# Altium PCB FRONT-UNIT-3.5.PcbDoc (part 2 of 2)
Units mm, origin at the board's own origin, x right, y up, seen from the top; angles counter-clockwise.
Board outline 187 x 77 mm, 2 copper layers (Top Layer, Top, Bottom Layer, Bottom); 110 components, 75 nets, 445 pads, 117 vias.
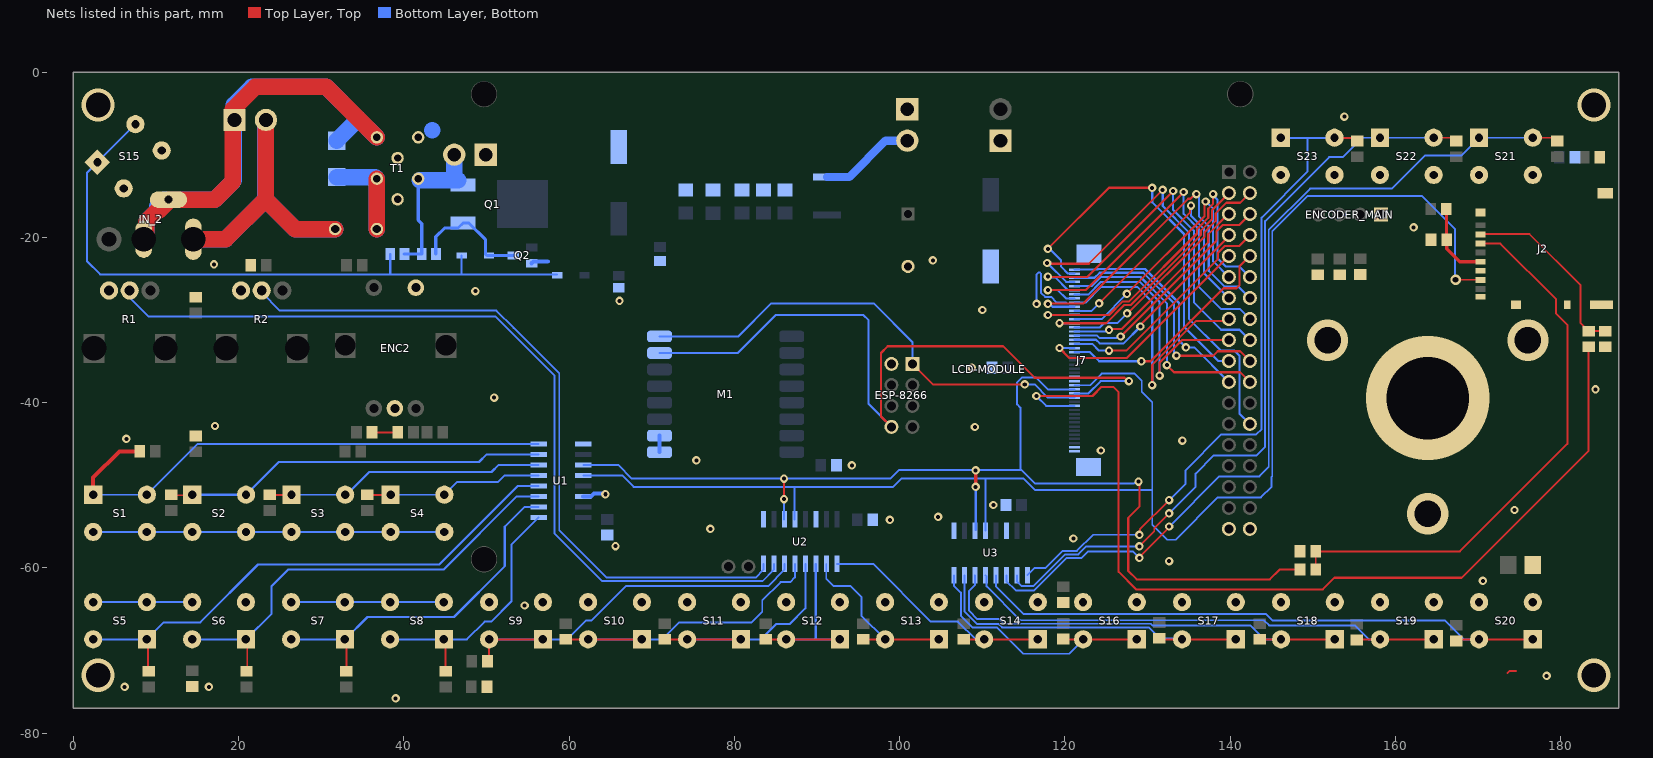
[diagram p2: the nets of this part, all layers, seen from the top]

## Via types
v1: diameter 1.016, hole 0.486, Top Layer, Top to Bottom Layer, Bottom, tented both sides, 102 vias
v2: diameter 3.2, hole 3, Top Layer, Top to Bottom Layer, Bottom, 4 vias
v3: diameter 4, hole 3, Top Layer, Top to Bottom Layer, Bottom, 4 vias
v4: diameter 5, hole 3.2, Top Layer, Top to Bottom Layer, Bottom, 3 vias
v5: diameter 1.27, hole 0.711, Top Layer, Top to Bottom Layer, Bottom, 3 vias
v6: diameter 15, hole 10, Top Layer, Top to Bottom Layer, Bottom, 1 vias

## Nets (pads, with @x,y where several pads share a name; then routed paths per layer and width w, separated by ;. In a path a pad name is that pad's centre, name@x,y a point inside that pad or via, vN(x,y) a via of type N, cw(c..) or ccw(c..) an arc to the next point about the centre after c; other vN are vias at no path point) (continued)
GND: +ACCUM.1 C1.1 C2.1 C3.2 C4.2 C5.2 C6.2 C7.2 C8.2 C9.2 C10.2 C11.1 C12.1 C13.1 C14.1 C15.1 C16.1 C17.1 C18.1 C19.1 C20.1 C21.1 C22.1 C23.1 C24.1 C25.1 C26.1 C1001.2 C1002.2 ENC2.1 ENC2.4 ENCODER_MAIN.1 ESP-8266.1 J2.6 J2.MP1 J2.MP2 J2.MP3 J2.MP4 J2.MP5 J2.MP6 J7.27 J7.28 J7.44 J7.45 J7.46 J7.47 LCD-MODULE.35 LCD-MODULE.36 M1.9 M1.10 MOTHERBOARD.1 Q2.2 R1.3 R2.3 R20.1 R21.1 R22.1 R28.1 RF-UNIT.1 S1.3 S1.4 S2.3 S2.4 S3.3 S3.4 S4.3 S4.4 S5.3 S5.4 S6.3 S6.4 S7.3 S7.4 S8.3 S8.4 S9.3 S9.4 S10.3 S10.4 S11.3 S11.4 S12.3 S12.4 S13.3 S13.4 S14.3 S14.4 S15.3 S15.4 S16.3 S16.4 S17.3 S17.4 S18.3 S18.4 S19.3 S19.4 S20.3 S20.4 S21.3 S21.4 S22.3 S22.4 S23.3 S23.4 T1.LCG1 T1.LCG2 T1.LCG3 U1.9 U1.14 U2.9 U2.14 U3.9 U3.14 | length 93.5
  Top Layer, Top w0.23: 173.567,-72.704 173.767,-72.504 174.567,-72.504
  Top Layer, Top w0.254: C2.1@36.281,-43.618 37.4,-43.618 C1.1@38.681,-43.618
  Bottom Layer, Bottom w0.23: v1@116.677,-27.947 116.569,-27.839 116.569,-24.494 116.784,-24.278 116.975,-24.278 117.11,-24.413 117.11,-26.741 117.592,-27.223 118.319,-27.223 118.954,-27.858 120.077,-27.858 120.178,-27.958
  Bottom Layer, Bottom w0.254: S5.3@2.395,-64.15 S6.3@14.395,-64.15 ; S1.4@2.395,-55.65 S1.3@8.895,-55.65 S4.3@44.895,-55.65 ; S7.3@26.395,-64.15 S8.4@44.895,-64.15
  Bottom Layer, Bottom w0.5: Q2.2@55.456,-23.146 55.683,-22.919 57.404,-22.919 ; U1.14@61.7,-51.349 62.651,-51.349 63,-51 64.294,-51 v1(64.389,-51.095) ; M1.9@70.933,-46 M1.10@70.933,-44
  Bottom Layer, Bottom w2: 43.429,-7.021 43.434,-7.026
  other v1: 39,-75.8 6.2,-74.4 16.4,-74.4 178.3,-73.07 54.61,-64.557 170.565,-61.565 132.6,-59.2 65.6,-57.378 121.019,-56.448 77.089,-55.286 98.8,-54.2 104.648,-53.819 174.4,-53 111.333,-52.4 94.2,-47.6 75.4,-47 124.333,-45.8 134.2,-44.6 6.4,-44.4 109.083,-42.953 17.145,-42.84 50.927,-39.411 184.202,-38.4 108.733,-35.8 110,-28.8 116.569,-28.055 66.086,-27.699 48.641,-26.514 17.018,-23.282 104,-22.8 162.2,-18.8 153.8,-5.4
  other v3: 3,-73 184,-73 3,-4 184,-4
  other v4: 163.9,-53.47 151.776,-32.47 176.024,-32.47
  other v6: 163.9,-39.47
MISO: J2.7 J7.29 U1.12 U2.12 U3.12 | length 191.2
  Top Layer, Top w0.23: v5(167.272,-25.139) 170.253,-25.139 J2.7@170.268,-25.154
  Bottom Layer, Bottom w0.23: U1.12@61.7,-48.809 66.401,-48.809 67.791,-50.2 87.249,-50.2 ; U2.12@87.249,-54.131 87.249,-50.2 ; U3.12@110.365,-55.5 110.4,-55.465 110.4,-49.3 110.3,-49.2 ; J7.29@121.143,-37.9 123.033,-37.9 124.437,-36.495 128.428,-36.495 129.286,-37.353 129.286,-38.706 130.556,-39.976 130.556,-50.57 ; v5(167.272,-25.139) 167.2,-25.067 167.2,-19 163.2,-15 149.375,-15 145.086,-19.289 145.086,-48.914 145,-49 145,-50.2 143.713,-51.487 138.511,-51.487 133.4,-56.598 132.398,-56.598 130.556,-54.756 130.556,-50.57 ; 87.249,-50.2 99.2,-50.2 100.2,-49.2 110.3,-49.2 ; 110.3,-49.2 115,-49.2 116.37,-50.57 130.556,-50.57
MOSI: J7.30 R24.2 U1.11 U2.11 U3.11 | length 132.9
  Top Layer, Top w0.254: v1(86,-51.686) v1(86,-49.2) ; v1(128.9,-49.57) 129,-49.67 129,-52.6 127.652,-53.948 127.652,-60.383 128.669,-61.4 144.8,-61.4 146,-60.2 R24.2@148.45,-60.2
  Top Layer, Top w0.381: v1(109.2,-50.2) v1(109.2,-48.2)
  Bottom Layer, Bottom w0.23: U1.11@61.7,-47.539 65.939,-47.539 67.6,-49.2 v1(86,-49.2) 98.87,-49.2 99.095,-48.975 99.896,-48.174 114.6,-48.174 ; J7.30@121.143,-38.4 117.933,-38.4 116.51,-36.977 114.792,-36.977 114.2,-37.568 114.2,-40.212 114.6,-40.612 114.6,-48.174 ; v1(128.9,-49.57) 128.75,-49.72 128.422,-49.72 128.372,-49.77 116.37,-49.77 114.774,-48.174 114.6,-48.174
  Bottom Layer, Bottom w0.254: U2.11@85.979,-54.131 85.989,-54.12 85.989,-51.696 v1(86,-51.686) ; U3.11@109.2,-55.394 v1(109.2,-50.2)
NetD25_1: D25.1 D27.1 R27.1 S15.1 S15.2 | length 81.4
  Bottom Layer, Bottom w0.254: S15.2@7.507,-6.311 S15.1@2.911,-10.907 1.651,-12.167 1.651,-22.901 3.232,-24.482 38.4,-24.482 ; R27.1@38.35,-22 38.35,-24.432 38.4,-24.482 ; 46.991,-24.481 D25.1@46.991,-22.196 ; D27.1@58.55,-24.482 38.4,-24.482
NetD25_2: D25.2 Q1.1 Q2.3 R26.1 | length 14.8
  Bottom Layer, Bottom w0.381: R26.1@43.86,-22 43.86,-19.94 44.927,-18.872 46.552,-18.872 Q1.1@47.162,-18.263 47.862,-18.263 49.856,-20.257 49.856,-22.011 50.041,-22.196 D25.2@50.291,-22.196 Q2.3@53.256,-22.196
NetD28_1: D28.1 F1.2 T1.P | length 17.1
  Top Layer, Top w2: F1.2@36.725,-19 36.733,-18.992 T1.P@36.733,-12.905
  Bottom Layer, Bottom w2: D28.1@31.877,-12.712 36.54,-12.712 T1.P@36.733,-12.905 36.725,-12.913 F1.2@36.725,-19
NetD28_2: "- IN +.1" D28.2 IN_2.2 IN_2.3 T1.PSG | length 93.8
  Top Layer, Top w2: IN_2.2@8.509,-20.234 8.843,-20.234 8.843,-18.1 10.128,-16.815 10.316,-16.815 11.509,-15.622 IN_2.3@11.509,-15.434 17.119,-15.434 19.304,-13.249 19.304,-4.496 22,-1.8 30.628,-1.8 T1.PSG@36.733,-7.905
  Bottom Layer, Bottom w2: IN_2.2@8.509,-20.234 8.843,-19.9 8.843,-18.1 10.128,-16.815 10.128,-16.241 10.935,-15.434 IN_2.3@11.509,-15.434 17.119,-15.434 19.431,-13.122 19.431,-3.969 21.6,-1.8 30.628,-1.8 34.414,-5.586 ; D28.2@31.877,-8.312 31.877,-8.287 34.414,-5.75 34.414,-5.586 ; T1.PSG@36.733,-7.905 34.414,-5.586
NetESP-8266_4: ESP-8266.4 J7.31 M1.15 | length 90.3
  Top Layer, Top w0.254: ESP-8266.4@98.993,-42.94 97.733,-41.68 97.733,-34 98.544,-33.188 98.933,-33.188 112.521,-33.188 116.333,-37 127.203,-37 127.603,-37.4 v1(127.733,-37.4)
  Bottom Layer, Bottom w0.254: M1.15@70.933,-34 80.4,-34 85,-29.4 95.6,-29.4 96.231,-30.031 96.231,-40.178 ESP-8266.4@98.993,-42.94 ; J7.31@121.143,-38.9 122.833,-38.9 124.333,-37.4 v1(127.733,-37.4)
NetESP-8266_5: ESP-8266.5 J7.32 M1.16 | length 58.1
  Top Layer, Top w0.254: ESP-8266.5@101.533,-35.32 104.013,-37.8 v1(115.133,-37.8)
  Bottom Layer, Bottom w0.254: M1.16@70.933,-32 80.471,-32 84.471,-28 96.863,-28 101.533,-32.67 ESP-8266.5@101.533,-35.32 ; v1(115.133,-37.8) 116.333,-37.8 117.933,-39.4 J7.32@121.143,-39.4
NetF1_1: "- IN +.2" F1.1 IN_2.1 | length 60.5
  Top Layer, Top w2: IN_2.1@14.509,-20.234 18.415,-20.234 23.241,-15.408 ; 23.305,-5.8 23.305,-15.344 23.241,-15.408 ; F1.1@31.675,-19 26.833,-19 23.241,-15.408
  Bottom Layer, Bottom w2: IN_2.1@14.509,-20.234 18.415,-20.234 23.241,-15.408 ; 23.241,-5.895 23.241,-15.408 ; F1.1@31.675,-19 26.833,-19 23.241,-15.408
NetF2_2: F2.2 RF-UNIT.2 | length 11.6
  Bottom Layer, Bottom w1: F2.2@91.2,-12.7 93.9,-12.7 98.295,-8.305 RF-UNIT.2@100.93,-8.305
NetJ2_2: J2.2 R22.2 R25.1 | length 22.7
  Top Layer, Top w0.23: J2.2@170.268,-19.654 170.322,-19.6 176.2,-19.6 182.4,-25.8 182.4,-30.387 182.732,-30.719 182.732,-30.819 183.267,-31.354 R25.1@183.367,-31.354 R22.2@185.367,-31.354
NetJ2_3: J2.3 R21.2 R24.1 | length 68.1
  Top Layer, Top w0.23: R24.1@150.35,-60.2 R21.2@150.35,-58 167.8,-58 180.8,-45 180.8,-30.6 179.4,-29.2 179.4,-27.452 172.703,-20.754 J2.3@170.268,-20.754
NetJ2_5: J2.5 R20.2 R23.1 | length 9.6
  Top Layer, Top w0.381: R23.1@166.151,-16.572 166.151,-20.272 R20.2@166.189,-20.311 166.2,-20.321 166.2,-21.4 167.754,-22.954 J2.5@170.268,-22.954
NetJ7_1: J7.1 LCD-MODULE.21 | length 27
  Bottom Layer, Bottom w0.254: J7.1@121.143,-23.9 123.936,-23.9 123.998,-23.838 129.68,-23.838 133.8,-27.958 133.8,-32.495 v1(134.62,-33.315) 135.638,-33.315 LCD-MODULE.21@139.827,-37.504
NetJ7_2: J7.2 LCD-MODULE.19 | length 46.1
  Top Layer, Top w0.254: v1(117.933,-21.4) 125.333,-14 130.545,-14 v1(130.556,-14.011)
  Bottom Layer, Bottom w0.254: v1(117.933,-21.4) 118.133,-21.4 119.533,-22.8 119.533,-23.552 120.357,-24.377 121.12,-24.377 J7.2@121.143,-24.4 ; v1(130.556,-14.011) 130.556,-15.756 134.4,-19.6 134.4,-30.809 138.555,-34.964 LCD-MODULE.19@139.827,-34.964
NetJ7_3: J7.3 LCD-MODULE.20 | length 29.9
  Top Layer, Top w0.254: v1(133.477,-34.331) 137.922,-34.331 138.466,-33.787 141.19,-33.787 LCD-MODULE.20@142.367,-34.964
  Bottom Layer, Bottom w0.254: J7.3@121.143,-24.9 123.578,-24.9 124.186,-24.292 129.492,-24.292 133.2,-28 133.2,-34.054 v1(133.477,-34.331)
NetJ7_4: J7.4 LCD-MODULE.26 | length 55.6
  Top Layer, Top w0.254: v1(117.841,-23.108) 117.933,-23.2 122.891,-23.2 v1(131.826,-14.265)
  Bottom Layer, Bottom w0.254: v1(117.841,-23.108) 120.133,-25.4 J7.4@121.143,-25.4 ; v1(131.826,-14.265) 131.826,-16.205 135,-19.379 135,-29.846 138.858,-33.703 140.503,-33.703 141.104,-34.304 141.104,-41.322 LCD-MODULE.26@142.367,-42.584
NetJ7_5: J7.5 LCD-MODULE.22 | length 31.3
  Top Layer, Top w0.254: v1(132.334,-35.474) 133.187,-36.327 141.19,-36.327 LCD-MODULE.22@142.367,-37.504
  Bottom Layer, Bottom w0.254: J7.5@121.143,-25.9 123.22,-25.9 124.32,-24.8 129.134,-24.8 132.334,-28 v1(132.334,-35.474)
NetJ7_6: J7.6 LCD-MODULE.18 | length 46.6
  Top Layer, Top w0.254: v1(117.933,-24.754) 117.979,-24.8 122.688,-24.8 v1(133.096,-14.392)
  Bottom Layer, Bottom w0.254: v1(117.933,-24.754) 118.02,-24.841 118.822,-24.841 120.357,-26.377 121.12,-26.377 J7.6@121.143,-26.4 ; v1(133.096,-14.392) 133.096,-16.696 135.6,-19.2 135.6,-27.875 138.91,-31.185 141.128,-31.185 LCD-MODULE.18@142.367,-32.424
NetJ7_7: J7.7 LCD-MODULE.17 | length 31.9
  Top Layer, Top w0.254: v1(131.445,-36.744) 131.445,-35.182 134.203,-32.424 LCD-MODULE.17@139.827,-32.424
  Bottom Layer, Bottom w0.254: J7.7@121.143,-26.9 122.862,-26.9 124.362,-25.4 129.045,-25.4 131.445,-27.8 v1(131.445,-36.744)
NetJ7_8: J7.8 LCD-MODULE.16 | length 45
  Top Layer, Top w0.254: v1(117.933,-26.4) 122.485,-26.4 v1(134.366,-14.519)
  Bottom Layer, Bottom w0.254: v1(117.933,-26.4) 119.133,-26.4 120.133,-27.4 J7.8@121.143,-27.4 ; v1(134.366,-14.519) 134.366,-17.166 136.2,-19 136.2,-26 138.868,-28.667 141.15,-28.667 LCD-MODULE.16@142.367,-29.884
NetJ7_9: J7.9 LCD-MODULE.15 | length 35
  Top Layer, Top w0.254: v1(130.556,-37.887) 130.556,-35.429 135.845,-30.14 139.571,-30.14 LCD-MODULE.15@139.827,-29.884
  Bottom Layer, Bottom w0.254: J7.9@121.143,-27.9 122.504,-27.9 124.404,-26 128.733,-26 130.556,-27.823 v1(130.556,-37.887)
NetJ7_10: J7.10 LCD-MODULE.14 | length 43
  Top Layer, Top w0.254: v1(117.933,-28.046) 117.979,-28 122.244,-28 134.909,-15.335 135.195,-15.335 135.757,-14.773 v1(135.89,-14.773)
  Bottom Layer, Bottom w0.254: v1(117.933,-28.046) 118.139,-28.046 118.493,-28.4 J7.10@121.143,-28.4 ; v1(135.89,-14.773) 136.198,-15.081 136.198,-17.452 137.4,-18.654 137.4,-24.042 139.339,-25.981 141.004,-25.981 LCD-MODULE.14@142.367,-27.344
NetJ7_11: J7.11 LCD-MODULE.13 | length 32.9
  Top Layer, Top w0.254: v1(124.133,-28) 135.109,-17.023 135.109,-16.316 v1(135.255,-16.17)
  Bottom Layer, Bottom w0.254: J7.11@121.143,-28.9 123.233,-28.9 v1(124.133,-28) ; v1(135.255,-16.17) 135.255,-17.413 136.8,-18.958 136.8,-24.317 LCD-MODULE.13@139.827,-27.344
NetJ7_12: J7.12 LCD-MODULE.12 | length 43.8
  Top Layer, Top w0.254: v1(117.933,-29.4) 125.333,-29.4 126.987,-27.746 127.767,-27.746 135.971,-19.543 135.971,-19.004 137.341,-17.633 137.341,-16.54 137.922,-15.96 v1(137.922,-14.773)
  Bottom Layer, Bottom w0.254: v1(117.933,-29.4) J7.12@121.143,-29.4 ; v1(137.922,-14.773) 137.922,-14.938 138.468,-15.484 138.468,-22.57 139.434,-23.536 141.099,-23.536 LCD-MODULE.12@142.367,-24.804
NetJ7_13: J7.13 LCD-MODULE.11 | length 33
  Top Layer, Top w0.254: v1(127.498,-26.835) 136.887,-17.445 136.887,-15.808 v1(137.033,-15.662)
  Bottom Layer, Bottom w0.254: J7.13@121.143,-29.9 124.433,-29.9 v1(127.498,-26.835) ; v1(137.033,-15.662) 137.922,-16.551 137.922,-22.899 LCD-MODULE.11@139.827,-24.804
NetJ7_14: J7.14 LCD-MODULE.3 | length 29.8
  Top Layer, Top w0.254: v1(119.333,-30.4) 124.975,-30.4 127.175,-28.2 127.955,-28.2 136.425,-19.731 136.425,-19.192 137.795,-17.821 137.795,-16.728 139.827,-14.697 LCD-MODULE.3@139.827,-14.644
  Bottom Layer, Bottom w0.254: v1(119.333,-30.4) J7.14@121.143,-30.4
NetJ7_15: J7.15 LCD-MODULE.4 | length 28.8
  Top Layer, Top w0.254: v1(127.533,-29.2) 127.598,-29.2 136.879,-19.919 136.879,-19.38 138.249,-18.009 138.249,-17.097 139.525,-15.821 141.19,-15.821 LCD-MODULE.4@142.367,-14.644
  Bottom Layer, Bottom w0.254: J7.15@121.143,-30.9 124.233,-30.9 124.779,-30.354 126.379,-30.354 v1(127.533,-29.2)
NetJ7_16: J7.16 LCD-MODULE.5 | length 25.2
  Top Layer, Top w0.254: v1(125.333,-31.2) 125.437,-31.095 126.851,-31.095 137.333,-20.613 137.333,-19.625 139.774,-17.184 LCD-MODULE.5@139.827,-17.184
  Bottom Layer, Bottom w0.254: J7.16@121.143,-31.4 124.926,-31.4 125.126,-31.2 v1(125.333,-31.2)
NetJ7_17: J7.17 LCD-MODULE.6 | length 28.3
  Top Layer, Top w0.254: v1(126.733,-32) 138.333,-20.4 138.333,-19.267 139.087,-18.513 141.097,-18.513 LCD-MODULE.6@142.367,-17.243 ; LCD-MODULE.6@142.367,-17.184 LCD-MODULE.6@142.367,-17.126
  Bottom Layer, Bottom w0.254: J7.17@121.143,-31.9 123.897,-31.9 124.197,-32.2 126.203,-32.2 126.257,-32.146 126.587,-32.146 v1(126.733,-32)
NetJ7_18: J7.18 LCD-MODULE.7 | length 24.5
  Top Layer, Top w0.254: v1(129.133,-30.8) 129.133,-30.6 139.827,-19.905 LCD-MODULE.7@139.827,-19.724
  Bottom Layer, Bottom w0.254: J7.18@121.143,-32.4 123.754,-32.4 124.189,-32.835 127.098,-32.835 v1(129.133,-30.8)
NetJ7_19: J7.19 LCD-MODULE.8 | length 27.8
  Top Layer, Top w0.254: v1(125.333,-33.714) 127.418,-33.714 138.533,-22.6 138.533,-21.842 139.322,-21.053 141.097,-21.053 LCD-MODULE.8@142.367,-19.783
  Bottom Layer, Bottom w0.254: J7.19@121.143,-32.9 123.299,-32.9 124.11,-33.711 125.329,-33.711 v1(125.333,-33.714)
NetJ7_20: J7.20 LCD-MODULE.9 | length 27.9
  Top Layer, Top w0.254: v1(119.333,-33.4) 120.533,-34.6 127.491,-34.6 LCD-MODULE.9@139.827,-22.264
  Bottom Layer, Bottom w0.254: v1(119.333,-33.4) J7.20@121.143,-33.4
NetJ7_21: J7.21 LCD-MODULE.10 | length 28.3
  Top Layer, Top w0.254: v1(129.247,-35) 130.343,-35 139.176,-26.167 140.752,-26.167 141.097,-25.822 141.097,-23.534 LCD-MODULE.10@142.367,-22.264
  Bottom Layer, Bottom w0.254: J7.21@121.143,-33.9 123.033,-33.9 124.133,-35 v1(129.247,-35)
NetR1_2: R1.2 U2.7 | length 105.5
  Bottom Layer, Bottom w0.23: R1.2@6.815,-26.435 6.815,-27.306 9.109,-29.6 51.09,-29.6 53.027,-31.536 53.046,-31.536 58.2,-36.69 58.2,-55.8 64,-61.6 83.396,-61.6 84.765,-60.231 U2.7@84.765,-59.531
NetR2_2: R2.2 U2.8 | length 87.4
  Bottom Layer, Bottom w0.23: R2.2@22.792,-26.435 22.792,-26.662 25,-28.87 51.181,-28.87 53.267,-30.956 53.286,-30.956 58.8,-36.47 58.8,-55.425 64.545,-61.17 82.556,-61.17 83.495,-60.231 U2.8@83.495,-59.531
NetR3_1: R3.1 S1.1 S1.2 U1.8 | length 65.7
  Top Layer, Top w0.23: S1.1@2.395,-51.07 S1.1@2.545,-51.22
  Top Layer, Top w0.5: S1.1@2.395,-51.15 2.395,-51.07 2.395,-49.076 5.567,-45.904 R3.1@8.017,-45.904
  Bottom Layer, Bottom w0.23: S1.1@2.395,-51.15 S1.2@8.895,-51.15
  Bottom Layer, Bottom w0.254: S1.2@8.895,-51.15 15.046,-44.999 U1.8@56.3,-44.999
NetR4_1: R4.1 S2.1 S2.2 U1.7 | length 46.6
  Top Layer, Top w0.23: R4.1@11.845,-51.17 11.895,-51.22 S2.1@14.545,-51.22
  Bottom Layer, Bottom w0.254: S2.1@14.395,-51.15 S2.2@20.895,-51.15 24.845,-47.2 49.091,-47.2 50.022,-46.269 U1.7@56.3,-46.269
NetR5_1: R5.1 S3.1 S3.2 U1.6 | length 33.6
  Top Layer, Top w0.23: R5.1@24.345,-51.17 26.495,-51.17 S3.1@26.545,-51.22
  Bottom Layer, Bottom w0.23: S3.1@26.395,-51.15 S3.2@32.895,-51.15
  Bottom Layer, Bottom w0.254: S3.2@32.895,-51.15 33.05,-51.15 35.8,-48.4 50.6,-48.4 51.461,-47.539 U1.6@56.3,-47.539
NetR6_1: R6.1 S4.1 S4.2 U1.5 | length 21.2
  Top Layer, Top w0.23: R6.1@36.245,-51.17 38.495,-51.17 S4.1@38.545,-51.22
  Bottom Layer, Bottom w0.23: S4.1@38.395,-51.15 S4.2@44.895,-51.15
  Bottom Layer, Bottom w0.254: S4.2@44.895,-51.15 46.445,-49.6 51.4,-49.6 52.191,-48.809 U1.5@56.3,-48.809
NetR7_1: R7.1 S5.1 S5.2 U1.4 | length 66.4
  Top Layer, Top w0.23: S5.1@9.045,-67.8 9.045,-72.42 R7.1@9.145,-72.52
  Bottom Layer, Bottom w0.254: S5.2@2.395,-68.65 S5.1@8.895,-68.65 10.945,-66.6 15.35,-66.6 22.35,-59.6 44.289,-59.6 53.81,-50.079 U1.4@56.3,-50.079
NetR8_1: R8.1 S6.1 S6.2 U1.3 | length 55.8
  Top Layer, Top w0.23: R8.1@20.945,-72.52 21.045,-72.42 S6.1@21.045,-67.8
  Bottom Layer, Bottom w0.254: S6.2@14.395,-68.65 20.895,-68.65 24,-65.545 24,-62.2 26,-60.2 44.8,-60.2 53.651,-51.349 U1.3@56.3,-51.349
NetR9_1: R9.1 S8.1 S8.2 U1.1 | length 32.9
  Top Layer, Top w0.23: R9.1@45.045,-72.52 S8.1@45.045,-67.8
  Bottom Layer, Bottom w0.254: S8.2@38.395,-68.65 44.895,-68.65 S8.1@44.922,-68.677 ; S8.1@44.835,-68.65 47.621,-68.65 49.767,-66.504 50.567,-66.504 53,-64.071 53,-57.189 U1.1@56.3,-53.889
NetR10_1: R10.1 S7.1 S7.2 U1.2 | length 44.1
  Top Layer, Top w0.23: R10.1@33.045,-72.52 S7.1@33.045,-67.8
  Bottom Layer, Bottom w0.254: S7.2@26.395,-68.65 32.895,-68.65 35.6,-65.945 46.055,-65.945 52.2,-59.8 52.2,-55.029 54.61,-52.619 U1.2@56.3,-52.619
NetR11_1: R11.1 S9.1 S9.2 U2.6 | length 49.1
  Top Layer, Top w0.23: R11.1@50.117,-71.304 50.315,-71.106 S9.2@50.315,-68.65 S9.1@56.815,-68.65
  Bottom Layer, Bottom w0.23: S9.2@50.315,-68.65 S9.1@56.815,-68.65 59.75,-68.65 62.023,-66.377 62.694,-66.377 66.871,-62.2 69.367,-62.2 84.066,-62.2 86.035,-60.231 U2.6@86.035,-59.531
NetR12_1: R12.1 S10.1 S10.2 U2.5 | length 39.9
  Top Layer, Top w0.23: R12.1@59.567,-68.454 59.763,-68.65 S10.2@62.295,-68.65 S10.1@68.795,-68.65
  Bottom Layer, Bottom w0.23: S10.2@62.295,-68.65 71.25,-68.65 73.3,-66.6 77.2,-66.6 82.071,-66.6 83.367,-65.304 83.367,-63.944 85.587,-61.724 86.747,-61.724 87.305,-61.166 U2.5@87.305,-59.531
NetR13_1: R13.1 S11.1 S11.2 U2.4 | length 30.6
  Top Layer, Top w0.254: R13.1@71.587,-68.654 71.591,-68.65 S11.2@73.9,-68.65 ; S11.2@73.8,-68.55 S11.2@73.9,-68.65 ; S11.1@80.775,-68.65 S11.2@74.275,-68.65 S11.2@73.9,-68.65
  Bottom Layer, Bottom w0.254: S11.2@74.275,-68.65 S11.1@80.775,-68.65 83.221,-68.65 85.071,-66.8 86.671,-66.8 88.575,-64.896 U2.4@88.575,-59.531
NetR14_1: R14.1 S12.1 S12.2 U2.3 | length 24.8
  Top Layer, Top w0.254: R14.1@83.767,-68.654 83.771,-68.65 S12.2@85.5,-68.65 ; S12.2@85.4,-68.55 S12.2@85.5,-68.65 ; S12.1@92.755,-68.65 S12.2@86.255,-68.65 S12.2@85.5,-68.65
  Bottom Layer, Bottom w0.254: S12.2@86.255,-68.65 87.75,-68.65 89.767,-68.65 ; U2.3@89.845,-59.531 89.845,-68.572 89.767,-68.65 ; S12.1@92.755,-68.65 89.767,-68.65
NetR15_1: R15.1 S13.1 S13.2 U2.2 | length 22.6
  Top Layer, Top w0.23: R15.1@95.567,-68.654 95.571,-68.65 S13.2@98.235,-68.65 S13.1@104.735,-68.65
  Bottom Layer, Bottom w0.23: U2.2@91.115,-59.531 91.115,-61.315 92,-62.2 94.063,-62.2 95.367,-63.504 95.367,-65.781 S13.2@98.235,-68.65 ; S13.2@99.05,-68.65 S13.2@99.25,-68.65
NetR16_1: R16.1 S14.1 S14.2 U2.1 | length 31.1
  Top Layer, Top w0.23: R16.1@107.767,-68.654 107.771,-68.65 S14.2@110.215,-68.65 S14.1@116.715,-68.65
  Bottom Layer, Bottom w0.23: U2.1@92.385,-59.531 96.794,-59.531 103.767,-66.504 107.034,-66.504 109.18,-68.65 S14.2@110.75,-68.65
NetR29_1: R29.1 S23.1 S23.2 U3.1 | length 84.3
  Top Layer, Top w0.23: v1(129,-56) 129.073,-55.927 129.073,-55.327 v1(132.6,-51.8) ; S23.2@151.818,-7.979 154.592,-7.979 R29.1@154.967,-8.354
  Bottom Layer, Bottom w0.23: U3.1@115.445,-60.9 116.345,-60 117.67,-60 119.73,-57.94 121.452,-57.94 123.392,-56 v1(129,-56) ; v1(132.6,-51.8) 134.6,-49.8 134.6,-48.2 138.938,-43.861 143.138,-43.861 143.796,-43.204 143.796,-17.604 149.367,-12.033 149.367,-7.979 ; S23.1@145.318,-7.979 149.367,-7.979 ; S23.2@151.818,-7.979 149.367,-7.979
NetR30_1: R30.1 S22.1 S22.2 U3.2 | length 93.8
  Top Layer, Top w0.23: v1(129,-57.4) 130.8,-55.6 130.8,-55.2 v1(132.6,-53.4) ; S22.2@164.217,-7.95 166.763,-7.95 R30.1@167.167,-8.354
  Bottom Layer, Bottom w0.23: U3.2@114.175,-60.9 114.175,-61.6 114.79,-62.215 116.177,-62.215 120.022,-58.37 121.63,-58.37 122.6,-57.4 v1(129,-57.4) ; v1(132.6,-53.4) 135.8,-50.2 135.8,-48.6 138,-46.4 143.2,-46.4 144.226,-45.374 144.226,-18.045 151.967,-10.304 153.613,-10.304 155.967,-7.95 S22.2@164.217,-7.95
NetR31_1: R31.1 S21.1 S21.2 U3.3 | length 108.3
  Top Layer, Top w0.23: v1(129,-58.8) 129,-58.7 132.6,-55.1 v1(132.6,-55) ; S21.2@176.616,-7.95 179.163,-7.95 R31.1@179.567,-8.354
  Bottom Layer, Bottom w0.23: U3.3@112.905,-60.9 112.905,-61.6 114.045,-62.74 116.26,-62.74 120.2,-58.8 122,-58.8 122.8,-58 128.2,-58 v1(129,-58.8) ; v1(132.6,-55) 138.676,-48.924 143.526,-48.924 144.656,-47.794 144.656,-19.111 149.663,-14.104 159.567,-14.104 163.567,-10.104 167.961,-10.104 S21.1@170.116,-7.95 S21.2@176.616,-7.95
NetR32_1: R32.1 S20.1 S20.2 U3.4 | length 71.8
  Top Layer, Top w0.23: R32.1@167.367,-68.854 167.571,-68.65 S20.2@170.115,-68.65 S20.1@176.615,-68.65
  Bottom Layer, Bottom w0.23: U3.4@111.635,-60.9 111.635,-62.235 114.965,-65.565 127.364,-65.565 144.295,-65.565 145.1,-66.37 165.97,-66.37 168.25,-68.65 S20.2@170.115,-68.65
NetR33_1: R33.1 S19.1 S19.2 U3.5 | length 61
  Top Layer, Top w0.23: R33.1@155.326,-68.734 155.41,-68.65 S19.2@158.135,-68.65 S19.1@164.635,-68.65
  Bottom Layer, Bottom w0.23: U3.5@110.365,-60.9 110.508,-61.042 110.508,-62.245 114.603,-66.34 144.07,-66.34 144.7,-66.97 155.07,-66.97 156.75,-68.65 S19.2@158.135,-68.65
NetR34_1: R34.1 S18.1 S18.2 U3.6 | length 52.9
  Top Layer, Top w0.23: R34.1@143.567,-68.654 143.571,-68.65 S18.2@146.155,-68.65 S18.1@152.655,-68.65
  Bottom Layer, Bottom w0.23: U3.6@109.095,-60.9 109.09,-60.905 109.09,-62.11 108.4,-62.8 108.4,-65.192 109.408,-66.2 112.03,-66.2 112.6,-66.77 130.37,-66.77 130.57,-66.97 142.433,-66.97 144.113,-68.65 S18.2@146.155,-68.65
NetR35_1: R35.1 S17.1 S17.2 U3.7 | length 40.6
  Top Layer, Top w0.23: R35.1@131.399,-68.527 131.522,-68.65 133.75,-68.65 S17.1@140.25,-68.65
  Bottom Layer, Bottom w0.23: U3.7@107.825,-60.9 107.825,-65.225 109.4,-66.8 112,-66.8 112.4,-67.2 130.13,-67.2 131.5,-68.57 133.67,-68.57 S17.2@133.75,-68.65
NetR36_1: R36.1 S16.1 S16.2 U3.8 | length 31.7
  Top Layer, Top w0.23: R36.1@119.789,-68.607 119.832,-68.65 122.25,-68.65 S16.1@128.75,-68.65
  Bottom Layer, Bottom w0.23: U3.8@106.555,-60.9 106.555,-62.155 107.395,-62.995 107.395,-65.795 108.835,-67.235 111.8,-67.235 114.965,-70.4 120.5,-70.4 S16.2@122.25,-68.65
SD_CS: J7.34 R25.2 | length 114.8
  Top Layer, Top w0.254: v1(116.533,-39.2) 123.333,-39.2 124.427,-38.105 125.838,-38.105 126.492,-38.759 126.492,-60.492 128.6,-62.6 151.2,-62.6 152.6,-61.2 168,-61.2 183.367,-45.833 R25.2@183.367,-33.254
  Bottom Layer, Bottom w0.254: v1(116.533,-39.2) 117.733,-40.4 J7.34@121.143,-40.4
VCC12_IN: +ACCUM.2 Q1.3 R26.2 R27.2 T1.LCP | length 21.2
  Bottom Layer, Bottom w0.381: R27.2@40.05,-22 R26.2@42.16,-22 42.16,-18.343 41.733,-17.916 41.733,-13.242 T1.LCP@41.901,-13.073 ; Q1.3@46.101,-13.073 46.711,-13.683 Q1.3@47.162,-13.683 Q1.3@46.552,-13.073
  Bottom Layer, Bottom w2: T1.LCP@41.901,-13.073 Q1.3@46.101,-13.073 ; +ACCUM.2@46.101,-10 Q1.3@46.101,-13.073 ; Q1.3@46.552,-13.073 Q1.3@46.101,-13.073
pads on no net: ENC2.6 ENC2.7 ESP-8266.2 ESP-8266.3 ESP-8266.7 IN_2.4 J2.1 J2.8 LCD-MODULE.23 LCD-MODULE.24 LCD-MODULE.25 LCD-MODULE.27 LCD-MODULE.28 LCD-MODULE.29 LCD-MODULE.30 LCD-MODULE.31 LCD-MODULE.32 LCD-MODULE.33 LCD-MODULE.34 LCD-MODULE.37 M1.1 M1.2 M1.4 M1.5 M1.6 M1.7 M1.11 M1.12 M1.13 M1.14 R1.4 R1.5 R2.4 R2.5
copper on no net:
  other v2: 55.321,-58.967 141.221,-58.967 55.321,-8.548 141.221,-8.548

## Polygon pours and split planes (outlines as drawn)
GND on Bottom Layer, Bottom "Bottom Layer, Bottom-GND" (solid, remove dead copper, pour order 4): 0,0 0,-76.989 187,-76.989 187,-74.06 186.8,0
GND on Top Layer, Top "Top Layer, Top-GND" (solid, remove dead copper, pour order 6): 0,0 0,-76.999 187,-76.999 187,0

## Keep-outs
Keep-Out Layer, Board:
  lines w0.127: 0,0 0,-77 187,-77.002 ; 187,-74.502 187,2.5
  lines w0.14: 187,-74.5 187,-0.97 ; 187,0 0,0 0,-77 187,-77 ; 187,-77 187,-77
  lines w0.254: 153.931,-44.119 cw(c163.9,-39.47) 162.941,-28.512 163.028,-29.508 ccw(c163.9,-39.47) 154.837,-43.696 153.931,-44.119 ; 154.889,-45.779 ccw(c163.9,-39.47) 172.911,-45.779 172.091,-45.206 cw(c163.9,-39.47) 155.708,-45.206 154.889,-45.779 ; 164.772,-29.508 cw(c163.9,-39.47) 172.963,-43.696 173.869,-44.119 ccw(c163.9,-39.47) 164.859,-28.512 164.772,-29.508

## Silkscreen, mask and mechanical layers (free items; w line width, h text height)
Top Overlay, Top Silk:
  circle w0.254: c164,-39.3 r19
  lines w0.254: 52.721,-61.07 46.701,-61.07 46.701,-59.8 46.701,-0.4 143.8,-0.4 143.721,-6.77 ; 173.367,-11.904 173.367,-13.304 ; 173.367,-13.304 173.367,-13.304
  lines w0.508: 60.867,-55.704 134.367,-55.704 134.367,-5.704 60.867,-5.704 60.867,-55.704
  text "UA3REO Transceiver" at 149.2,-3.6 h2.08
  text "A/B" at 148.085,-5.787 h1
  text "MODE-" at 159.485,-5.787 h1
  text "MODE+" at 171.285,-5.787 h1
  text "POWER" at 10.285,-5.987 h1
  text "AF GAIN" at 3.885,-40.587 h1
  text "SHIFT/GAIN" at 17.285,-40.587 h1
  text "PRE PGA" at 2.685,-48.787 h1
  text "ATT/STEP" at 13.885,-48.787 h1
  text "MUTE/SCAN" at 25.285,-48.787 h1
  text "AGC/SPEED" at 37.284,-48.787 h1
  text "A=B/ANT" at 2.685,-61.587 h1
  text "TUNE" at 15.884,-61.587 h1
  text "RF POWER/SQ" at 24.285,-61.587 h1
  text "BW/HPF" at 38.885,-61.587 h1
  text "FRONT-UNIT rev 9" at 183.2,-66.2 h1.25 r90
  text "(T.Angelov Mod.) by ra9ucn V1" at 185.8,-66.2 h1.25 r90
  text "DNR/NB" at 51.284,-72.587 h1
  text "NOTCH/MAN" at 61.285,-72.587 h1
  text "CLAR/SHIFT" at 73.084,-72.587 h1
  text "REC/PLAY" at 85.485,-72.587 h1
  text "SERVICES" at 97.685,-72.587 h1
  text "MENU/LOCK" at 109.085,-72.587 h1
  text "WPM/KEYER" at 121.284,-72.587 h1
  text "DOUBLE +/&" at 132.684,-72.587 h1
  text "FAST/SET" at 145.685,-72.587 h1
  text "BAND-" at 159.284,-72.587 h1
  text "BAND+" at 171.285,-72.587 h1
Bottom Overlay, Bot Silk:
  text "+RF-UNIT" at 112.6,-1.6 h1
  text "+" at 26.2,-2.111 h3
  text "-ACCUM+" at 51.167,-7.904 h1
  text "+MB" at 102.4,-12.6 h1
Top Assembly:
  lines w0.254: 6.8,-75.8 6.8,-10.6

## Text inside footprints (layer, text, board x,y; h text height)
ENCODER_MAIN: Mechanical 2, Bot Assy "BOARD EDGE" at 156.654,-15.615 h0.42
ESP-8266: Bottom Overlay, Bot Silk "ESP-01" at 96.8,-35 h1.67 r90; Bottom Overlay, Bot Silk "ESP8266" at 92.2,-34.2 h1.67 r90
LCD-MODULE: Top Overlay, Top Silk "3'5 480*320" at 65,-14.8 h1.67